# Altium PCB KS_V3S_0.2.PcbDoc
Units mil, origin at the board's own origin, x right, y up, seen from the top; angles counter-clockwise.
Board outline 1913 x 1376 mil, 2 copper layers (Top Layer, Bottom Layer), stack 61.756 mil thick; 129 components, 129 nets, 607 pads, 25 vias.
Unrouted connection lines stored in the file: 284.
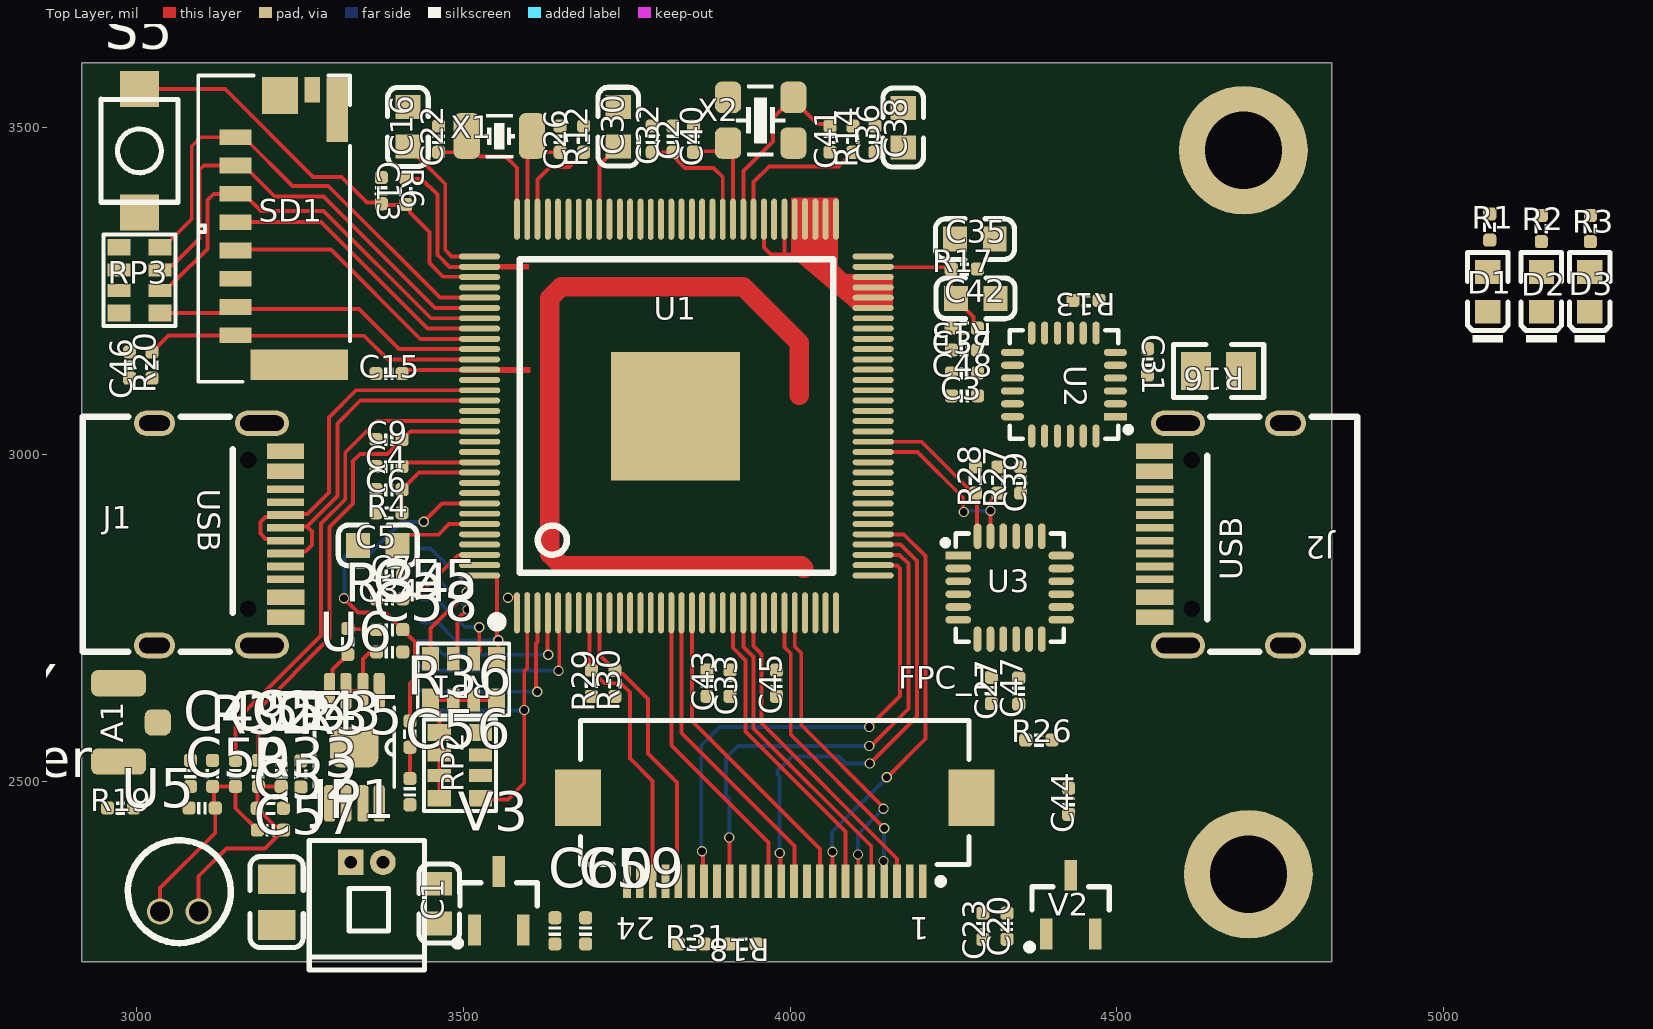
[diagram p0: Top Layer view]
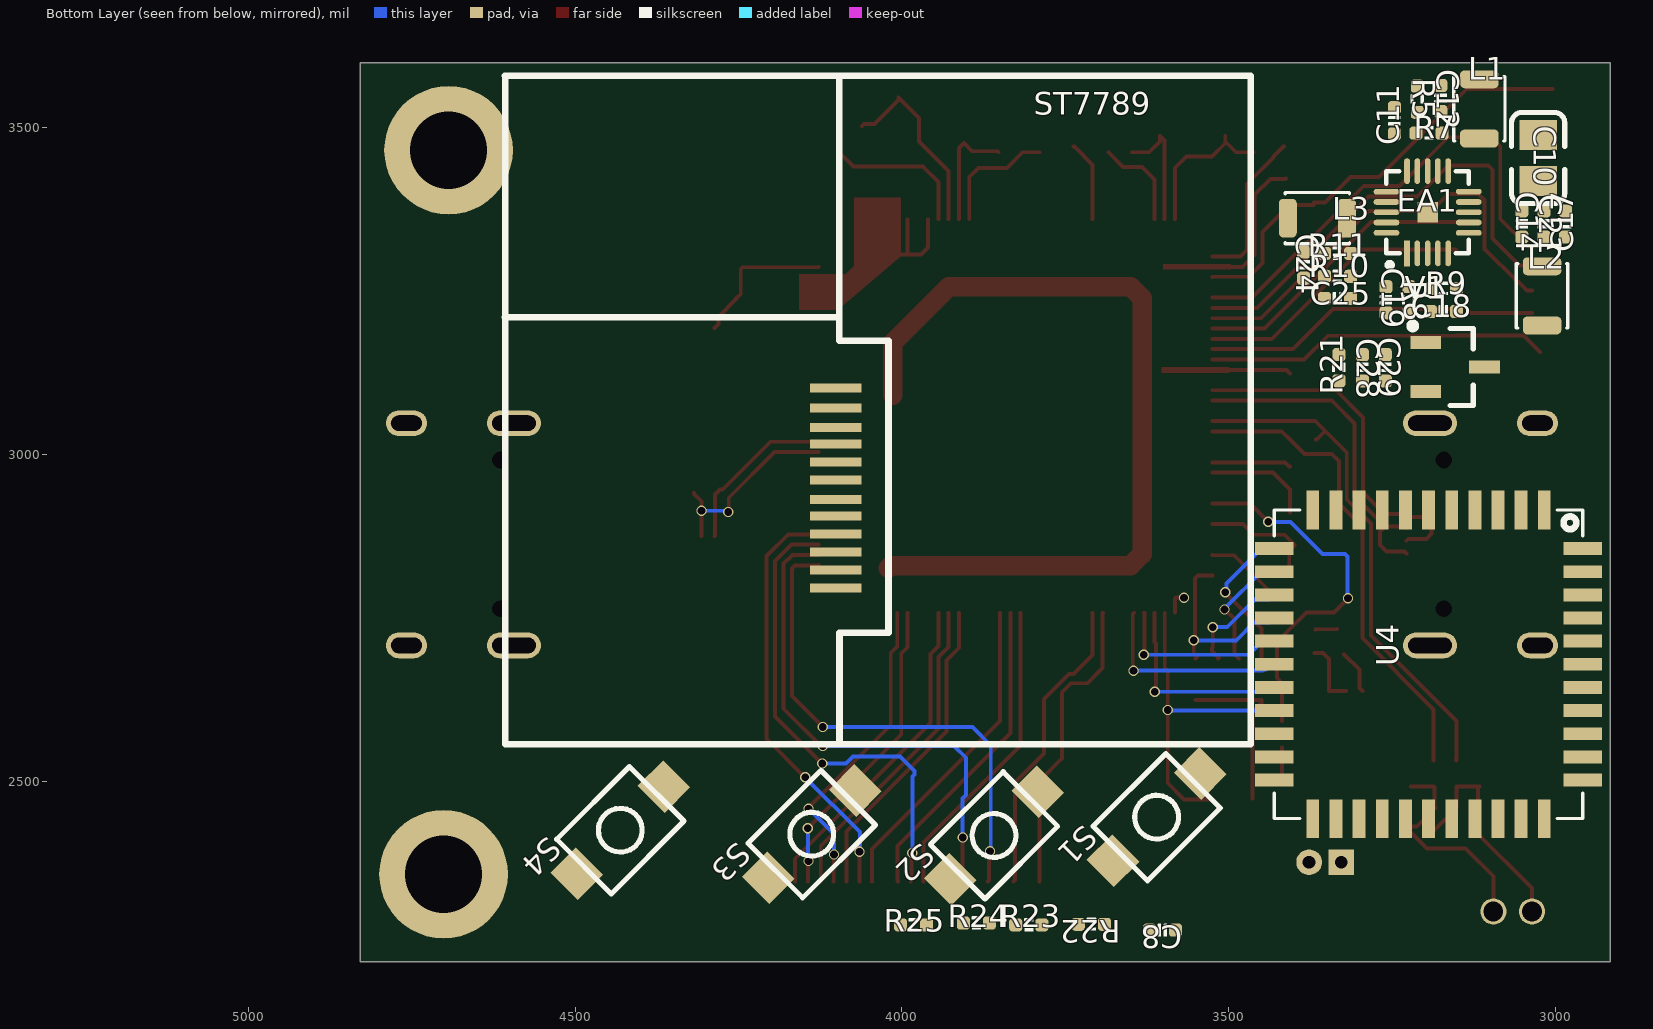
[diagram p1: Bottom Layer view, seen from below]

## Layer stack, top to bottom
Top Solder: solder mask 1, SM-001, Dk 4
Top Layer: signal copper 1.378
Dielectric 1: core 59, Core-043, Dk 4.3
Bottom Layer: signal copper 1.378
Bottom Solder: solder mask 1, SM-001, Dk 4

## Board outline
2916,2224 4829,2224 4829,3600 2916,3600

## Design rules (kind name [scope] priority, off if disabled: settings)
Clearance [All] p1: gap=6 ignorepadtopadclearanceinfootprint=FALSE
PolygonConnect [All] p1: connectstyle=Direct reliefconductorwidth=10 reliefentries=4 polygonreliefangle="90 Angle" airgapwidth=10
RoutingVias [All] p1: holewidth=11.81 width=15.75 viastyle="Through Hole" minholewidth=11.81 minwidth=15.75 maxholewidth=11.81 maxwidth=15.75
SolderMaskExpansion [All] p1: expansion=4 istentingtop=FALSE
Width [All] p1: maxlimit=30 minlimit=6 preferedwidth=30
30 further rules are at their usual default settings.

## Components (designator, comment, footprint, x,y, rotation, side; value= is the part's Value field where it differs from the comment)
A1 "IPX_SMA" IPX_SMA 2972,2590 r0 top
C1 "104" 0603_C#1 3463,2313 r90 top
C2 "104" CAP_0402 3820.8,3482.87 r90 top
C3 "105" CAP_0402 4267,3090 r0 top
C4 "105" CAP_0402 3386.06,2981.67 r180 top
C5 "106" 0603_C#1 3369,2861 r0 top
C6 "106" CAP_0402 3386.06,2946.33 r180 top
C7 "104" CAP_0402 3387,2815 r0 top
C8 "106" CAP_0402 3601,2272 r0 bottom
C9 "104" CAP_0402 3386,3023 r180 top
C10 "106" 0805_C 3026,3454 r90 bottom
C11 "106" CAP_0402 3246,3511 r90 bottom
C12 "18PF" CAP_0402 3175,3545 r270 bottom
C13 "104" CAP_0402 3374.24,3404.04 r90 top
C14 "106" CAP_0402 3051,3353 r270 bottom
C15 "104" CAP_0402 3386.06,3124 r0 top
C16 "106" 0603_C#1 3415,3502 r90 top
C17 "106" CAP_0402 2984,3353 r270 bottom
C18 "106" CAP_0402 3171,3219 r0 bottom
C19 "18PF" CAP_0402 3259,3237 r90 bottom
C20 "104" CAP_0402 4332,2278 r270 top
C21 "106" CAP_0402 3017,3353 r270 bottom
C22 "10PF" CAP_0402 3462,3482.87 r90 top
C23 "106" CAP_0402 4295,2278 r270 top
C24 "106" CAP_0402 3385,3290 r270 bottom
C25 "18PF" CAP_0402 3333,3239 r180 bottom
C26 "10PF" CAP_0402 3648,3482.87 r90 top
C27 "104" CAP_0402 4308,2639 r270 top
C28 "104" CAP_0402 3295,3133 r90 bottom
C29 "106" CAP_0402 3260,3133 r90 bottom
C30 "106" 0603_C#2 3737,3502 r90 top
C31 "104" CAP_0402 4547,3142 r270 top
C32 "104" CAP_0402 3789,3482.87 r90 top
C33 "104" CAP_0402 3908,2650 r90 top
C34 "105" CAP_0402 3387,2779.33 r0 top
C35 "106" 0603_C#2 4283,3330 r180 top
C36 "104" CAP_0402 4130,3482.87 r270 top
C37 "105" CAP_0402 4267,3160 r180 top
C38 "106" 0603_C#2 4173.04,3500.58 r270 top
C39 "104" CAP_0402 4353,2961 r90 top
C40 "10PF" CAP_0402 3852,3482.87 r90 top
C41 "10PF" CAP_0402 4061,3483 r270 top
C42 "106" 0603_C#2 4284,3239 r0 top
C43 "104" CAP_0402 3873,2650 r90 top
C44 "104" CAP_0402 4426.43,2469.29 r270 top
C45 "104" CAP_0402 3979,2650 r90 top
C46 "104" CAP_0402 2989,3137 r270 top
C47 "104" CAP_0402 4350,2638 r90 top
C48 "104" CAP_0402 4267,3125 r180 top
C49 "1u" CAP_0402 3082,2512 r270 top
C50 "33p" CAP_0402 3100,2459 r0 top
C51 "104" CAP_0402 3151,2512 r90 top
C52 "100p" CAP_0402 3204.43,2425.22 r0 top
C53 "33p" CAP_0402 3221,2512 r270 top
C54 "104" CAP_0402 3186,2512 r90 top
C55 "330nF" CAP_0402 3387,2732 r0 top value=0.1u
C56 "0.1uF" CAP_0402 3418,2484 r90 top value=0.1u
C57 "10uF" 0805_C 3214,2315 r90 top value=0.1u
C58 "1uF" CAP_0402 3387,2698 r180 top value=0.1u
C59 "104" CAP_0402 3687,2271 r90 top
C60 "106" CAP_0402 3640,2271 r90 top
D1 "白灯 0603" 0603_LED_S1 5068,3249 r90 top
D2 "白灯 0603" 0603_LED_S1 5150,3249 r90 top
D3 "白灯 0603" 0603_LED_S1 5224,3249 r90 top
EA1 "电源管理IC" "QFN20 3x3_M" 3195.24,3371 r180 bottom
FPC_1 "FPC_24" FPC_24 3977,2479 r180 top
J1 "USB type C" "USB Type-C-16Pin_A" 3027,2878 r270 top
J2 "USB type C" "USB Type-C-16Pin_A" 4758.47,2878 r90 top
JP1 "HDR-1X2" "MX 1.25-WI-2P" 3352,2376 r0 top
L1 "2.2UH" 2520-L 3116,3529.28 r90 bottom
L2 "2.2UH" 2520-L 3020,3243 r270 bottom
L3 "2.2UH" 2520-L 3364,3362 r0 bottom
R1 "Res2" RES_0402 5071,3348.27 r270 top value=2K
R2 "Res2" RES_0402 5150,3346 r270 top value=2K
R3 "Res2" RES_0402 5225,3346 r270 top value=2K
R4 "Res2" RES_0402 3386.06,2911 r180 top value=200K
R5 "Res2" RES_0402 3211,3544 r90 bottom value=110K
R6 "Res2" RES_0402 3411.72,3403.1 r90 top value=10K
R7 "Res2" RES_0402 3193,3492 r180 bottom value=110K
R8 "Res2" RES_0402 3224,3237 r270 bottom value=680K
R9 "Res2" RES_0402 3171,3254 r0 bottom value=150K
R10 "Res2" RES_0402 3333,3273 r0 bottom value=300K
R11 "Res2" RES_0402 3333,3308 r180 bottom value=150K
R12 "Res2" RES_0402 3684,3482.87 r270 top value=1K
R13 "10K" RES_0402 4453,3236 r0 top
R14 "Res2" RES_0402 4096,3482.87 r270 top value=240
R15 "Res2" RES_0402 4266.63,3194 r0 top value=2K
R16 "1A保险丝" LC-0805_R 4656,3128 r0 top value=10K
R17 "Res2" RES_0402 4266.63,3284 r180 top value=2K
R18 "Res2" RES_0402 3928,2251 r0 top value=10k
R19 "Res2" RES_0402 2975,2459 r180 top value=10k
R20 "Res2" RES_0402 3023,3137 r90 top value=10k
R21 "100K-1%" RES_0402 3331,3133 r90 bottom
R22 "6K8-1%" RES_0402 3710,2281 r0 bottom
R23 "8k2-1%" RES_0402 3805.73,2280 r180 bottom
R24 "10K-1%" RES_0402 3886,2283 r180 bottom
R25 "11K-1%" RES_0402 3982,2280 r180 bottom
R26 "Res2" RES_0402 4380.73,2563 r0 top value=10
R27 "Res2" RES_0402 4318,2961 r90 top value=10k
R28 "Res2" RES_0402 4284,2961 r90 top value=10k
R29 "Res2" RES_0402 3696,2650 r270 top value=10k
R30 "Res2" RES_0402 3731.64,2649.77 r270 top value=10k
R31 "Res2" RES_0402 3849,2251 r0 top value=10k
R32 "Res2" RES_0402 3116,2512 r90 top value=2K
R33 "Res2" RES_0402 3204.2,2458.6 r0 top value=2K
R34 "20K" RES_0402 3323,2714 r270 top value=22R
R35 "75K" RES_0402 3251,2511 r270 top value=22R
R36 "22R" RES_0402 3418,2572 r90 top
RP1 "10K" RCA-8P4R-0603 3500,2656 r180 top
RP2 "10K" RCA-8P4R-0603 3494.5,2524.25 r90 top
RP3 "10K" RCA-8P4R-0603 3004,3267 r270 top
S1 "VOL+" KEY_1 3610,2445 r315 bottom
S2 "VOL-" KEY_1 3859,2417 r315 bottom
S3 "SELECT" KEY_1 4138,2419 r315 bottom
S4 "START" KEY_1 4431,2425 r315 bottom
S5 "RESET" KEY_1 3004,3465 r270 top
SD1 "micro SD" "TF卡座 短体 molex47309-2851_MOL" 3210,3346 r90 top
ST7789 "ST7789V_1.3" ST7789V_12Pin 4095.49,3088.56 r180 bottom
U1 "V3S_1" "LQFP129 14x14_N" 3826,3059 r0 top
U2 "CP2102N" "QFN24 4x4_N" 4419.16,3107.26 r90 top
U3 "MPU6050" "QFN24 4x4_M" 4336.16,2796.26 r270 top
U4 "RTL8723BS_Module" R8723BS 3190.78,2675 r270 bottom
U5 "MIC" MIC-0416 3065,2331 r270 top
U6 "LM4871" MSOP-8 3333,2552 r270 top
V1 "XC6206 3V0" SOT23-3N 3153,3134 r270 bottom
V2 "XC6206 2V8" SOT23-3N 4429.6,2311 r0 top
V3 "XC6206 1V5" SOT23-3N 3554,2317 r0 top
X1 "32.768kHz" XT_3215_2 3555,3487.87 r180 top
X2 "26MHz" XT_3225_4 3955,3511.87 r0 top

## Footprints (in the part's own frame and the unit in brackets; to place one, negate y for a bottom-side part, rotate by r counter-clockwise, add the part's x,y. Pads: shape width x height; smd on the part's side, far side on the other; paste and mask are expansions set on the pad)
0603_C#1 [mm]
  rect 0.93x0.98 smd: 1(-0.778,0) 2(0.762,0)
  silkscreen extent -1.54,-0.79 1.53,0.79, body extent -0.81,-0.4 0.79,0.4, height 0.3
0603_C#2 [mm]
  rect 0.93x0.98 smd: 1(-0.77,0) 2(0.77,0)
  silkscreen extent -1.53,-0.79 1.54,0.79, body extent -0.8,-0.4 0.8,0.4, height 0.3
0603_LED_S1 [mm]
  rect 0.93x0.98 smd: A(0.77,0) K(-0.77,0)
  silkscreen extent -1.98,-0.79 1.54,0.79, body extent -0.8,-0.4 0.8,0.4, height 0.6
0805_C [mm]
  rect 1.16x1.47 smd: 1(-0.89,0) 2(0.89,0)
  silkscreen extent -1.77,-1.04 1.77,1.04, body extent -1,-0.63 1,0.63, height 0.77
2520-L [mm]
  rrect50% 0.7x1.5 smd: 1(-1.15,0) 2(1.15,0)
  silkscreen extent -1.25,-1 1.25,1, body extent -1,-0.6 1,0.6, height 0.92
CAP_0402 [mil]
  rrect50% 20x20 smd: 1(-20,0) 2(20,0)
  silkscreen extent -7,-9 7,9, body extent -20,-10 20,10, height 20
FPC_24 [mm]
  rect 0.3x1.3 smd: 1(-5.739,3.359) 2(-5.239,3.359) 3(-4.739,3.359) 4(-4.239,3.359) 5(-3.739,3.359) 6(-3.239,3.359) 7(-2.739,3.359) 8(-2.239,3.359) 9(-1.739,3.359) 10(-1.239,3.359) 11(-0.739,3.359) 12(-0.239,3.359) 13(0.261,3.359) 14(0.761,3.359) 15(1.261,3.359) 16(1.761,3.359) 17(2.261,3.359) 18(2.761,3.359) 19(3.261,3.359) 20(3.761,3.359) 21(4.261,3.359) 22(4.761,3.359) 23(5.261,3.359) 24(5.761,3.359)
  rect 1.8x2.2 smd: 25(-7.639,0.109) 26(7.661,0.109)
  silkscreen extent -7.54,-2.89 7.56,3.48, body extent -8.05,-3.05 8.15,2.95, height 2
IPX_SMA [mil]
  rrect50% 40x40 smd: 1(60,0)
  rrect50% 84x40 smd: 2(0,-60) 2(0,60)
KEY_1 [mm]
  rect 1.4x1.5 smd: 1(-2.4,0) 2(2.4,0)
  silkscreen extent -2.01,-1.5 2,1.5, body extent -2.11,-1.28 1.89,1.22, height 1.6
LC-0805_R [mm]
  rect 1.16x1.47 smd: 1(-0.875,0) 2(0.875,0)
  silkscreen extent -1.76,-1.04 1.76,1.03, body extent -1,-0.62 1,0.63, height 0.49
"LQFP129 14x14_N" [mm] "129脚，体宽：14x14mm, 脚距：0.4mm"
  oval 0.23x1.6 smd: 1(-6.2,-7.648) 2(-5.8,-7.648) 3(-5.4,-7.648) 4(-5,-7.648) 5(-4.6,-7.648) 6(-4.2,-7.648) 7(-3.8,-7.648) 8(-3.4,-7.648) 9(-3,-7.648) 10(-2.6,-7.648) 11(-2.2,-7.648) 12(-1.8,-7.648) 13(-1.4,-7.648) 14(-1,-7.648) 15(-0.6,-7.648) 16(-0.2,-7.648) 17(0.2,-7.648) 18(0.6,-7.648) 19(1,-7.648) 20(1.4,-7.648) 21(1.8,-7.648) 22(2.2,-7.648) 23(2.6,-7.648) 24(3,-7.648) 25(3.4,-7.648) 26(3.8,-7.648) 27(4.2,-7.648) 28(4.6,-7.648) 29(5,-7.648) 30(5.4,-7.648) 31(5.8,-7.648) 32(6.2,-7.648) 65(6.2,7.653) 66(5.8,7.653) 67(5.4,7.653) 68(5,7.653) 69(4.6,7.653) 70(4.2,7.653) 71(3.8,7.653) 72(3.4,7.653) 73(3,7.653) 74(2.6,7.653) 75(2.2,7.653) 76(1.8,7.653) 77(1.4,7.653) 78(1,7.653) 79(0.6,7.653) 80(0.2,7.653) 81(-0.2,7.653) 82(-0.6,7.653) 83(-1,7.653) 84(-1.4,7.653) 85(-1.8,7.653) 86(-2.2,7.653) 87(-2.6,7.653) 88(-3,7.653) 89(-3.4,7.653) 90(-3.8,7.653) 91(-4.2,7.653) 92(-4.6,7.653) 93(-5,7.653) 94(-5.4,7.653) 95(-5.8,7.653) 96(-6.2,7.653)
  oval 1.6x0.23 smd: 33(7.651,-6.198) 34(7.651,-5.798) 35(7.651,-5.398) 36(7.651,-4.998) 37(7.651,-4.598) 38(7.651,-4.198) 39(7.651,-3.798) 40(7.651,-3.398) 41(7.651,-2.998) 42(7.651,-2.598) 43(7.651,-2.198) 44(7.651,-1.798) 45(7.651,-1.398) 46(7.651,-0.998) 47(7.651,-0.598) 48(7.651,-0.198) 49(7.651,0.202) 50(7.651,0.602) 51(7.651,1.002) 52(7.651,1.402) 53(7.651,1.802) 54(7.651,2.202) 55(7.651,2.602) 56(7.651,3.002) 57(7.651,3.402) 58(7.651,3.802) 59(7.651,4.202) 60(7.651,4.602) 61(7.651,5.002) 62(7.651,5.402) 63(7.651,5.802) 64(7.651,6.202) 97(-7.651,6.202) 98(-7.651,5.802) 99(-7.651,5.402) 100(-7.651,5.002) 101(-7.651,4.602) 102(-7.651,4.202) 103(-7.651,3.802) 104(-7.651,3.402) 105(-7.651,3.002) 106(-7.651,2.602) 107(-7.651,2.202) 108(-7.651,1.802) 109(-7.651,1.402) 110(-7.651,1.002) 111(-7.651,0.602) 112(-7.651,0.202) 113(-7.651,-0.198) 114(-7.651,-0.598) 115(-7.651,-0.998) 116(-7.651,-1.398) 117(-7.651,-1.798) 118(-7.651,-2.198) 119(-7.651,-2.598) 120(-7.651,-2.998) 121(-7.651,-3.398) 122(-7.651,-3.798) 123(-7.651,-4.198) 124(-7.651,-4.598) 125(-7.651,-4.998) 126(-7.651,-5.398) 127(-7.651,-5.798) 128(-7.651,-6.198)
  rect 5x5 smd: 129(-0.038,-0.01)
  silkscreen extent -7.11,-8.13 6.1,6.1, body extent -8,-8 8,8.01, height 1.45
MIC-0416 [mil]
  round 40 hole 30: 1(30.43,29.53) 2(30.43,-29.53)
  silkscreen extent -79,-79 79,79, body extent -99,-99 99,100, height 102
MSOP-8 [mil]
  rrect50% 56x17 smd: 1(-86,38) 2(-86,13) 3(-86,-13) 4(-86,-38) 5(86,-38) 6(86,-13) 7(86,13) 8(86,38)
  rrect50% 62x74 smd: 9(0,0)
  silkscreen extent -61,-61 61,61, body extent -97,-61 97,61, height 45
"MX 1.25-WI-2P" [mm] "长：4.25mm，宽：1.8mm，高：3.3mm"
  rect 1x1 hole 0.5: 1(-0.625,0)
  round 1 hole 0.5: 2(0.625,0)
  silkscreen extent -2.24,-4.19 2.24,0.85, body extent -2.12,-4.05 2.12,0.85, height 3.35
"QFN20 3x3_M" [mm] "20脚，长x宽x高：3x3x0.8mm，脚距：0.4mm"
  rect 0.22x1 smd: 1(-0.8,-1.6)
  oval 0.22x1 smd: 2(-0.4,-1.6) 3(0,-1.6) 4(0.4,-1.6) 5(0.8,-1.6) 11(0.8,1.6) 12(0.4,1.6) 13(0,1.6) 14(-0.4,1.6) 15(-0.8,1.6)
  oval 1x0.22 smd: 6(1.6,-0.8) 7(1.6,-0.4) 8(1.6,0) 9(1.6,0.4) 10(1.6,0.8) 16(-1.6,0.8) 17(-1.6,0.4) 18(-1.6,0) 19(-1.6,-0.4) 20(-1.6,-0.8)
  rect 0.8x0.8 smd: 21(0,0)
  silkscreen extent -1.6,-2.12 1.6,1.6, body extent -1.51,-1.51 1.51,1.51, height 0.75
"QFN24 4x4_M" [mm] "24脚，长x宽x高：4x4x1mm，脚距：0.5mm"
  rect 0.3x1 smd: 1(-1.25,-2)
  oval 0.3x1 smd: 2(-0.75,-2) 3(-0.25,-2) 4(0.25,-2) 5(0.75,-2) 6(1.25,-2) 13(1.25,2) 14(0.75,2) 15(0.25,2) 16(-0.25,2) 17(-0.75,2) 18(-1.25,2)
  oval 1x0.3 smd: 7(2,-1.25) 8(2,-0.75) 9(2,-0.25) 10(2,0.25) 11(2,0.75) 12(2,1.25) 19(-2,1.25) 20(-2,0.75) 21(-2,0.25) 22(-2,-0.25) 23(-2,-0.75) 24(-2,-1.25)
  silkscreen extent -2.11,-2.6 2.11,2.11, body extent -2.01,-2.01 2.01,2.01, height 0.95
"QFN24 4x4_N" [mm] "24脚，长x宽x高：4x4x1mm，脚距：0.5mm"
  rect 0.28x0.9 smd: 1(-1.25,-2)
  oval 0.28x0.9 smd: 2(-0.75,-2) 3(-0.25,-2) 4(0.25,-2) 5(0.75,-2) 6(1.25,-2) 13(1.25,2) 14(0.75,2) 15(0.25,2) 16(-0.25,2) 17(-0.75,2) 18(-1.25,2)
  oval 0.9x0.28 smd: 7(2,-1.25) 8(2,-0.75) 9(2,-0.25) 10(2,0.25) 11(2,0.75) 12(2,1.25) 19(-2,1.25) 20(-2,0.75) 21(-2,0.25) 22(-2,-0.25) 23(-2,-0.75) 24(-2,-1.25)
  silkscreen extent -2.11,-2.6 2.11,2.11, body extent -2.01,-2.01 2.01,2.01, height 0.95
R8723BS [mm]
  rect 1.5x0.5 smd: 1(-6.102,4.424) 2(-6.102,3.524) 3(-6.102,2.624) 4(-6.102,1.724) 5(-6.102,0.824) 6(-6.102,-0.076) 7(-6.102,-0.976) 8(-6.102,-1.876) 9(-6.102,-2.776) 10(-6.102,-3.676) 11(-6.102,-4.576) 23(5.898,-4.576) 24(5.898,-3.676) 25(5.898,-2.776) 26(5.898,-1.876) 27(5.898,-0.976) 28(5.898,-0.076) 29(5.898,0.824) 30(5.898,1.724) 31(5.898,2.624) 32(5.898,3.524) 33(5.898,4.424)
  rect 0.5x1.5 smd: 12(-4.602,-6.076) 13(-3.702,-6.076) 14(-2.802,-6.076) 15(-1.902,-6.076) 16(-1.002,-6.076) 17(-0.102,-6.076) 18(0.798,-6.076) 19(1.698,-6.076) 20(2.598,-6.076) 21(3.498,-6.076) 22(4.398,-6.076) 34(4.398,5.924) 35(3.498,5.924) 36(2.598,5.924) 37(1.698,5.924) 38(0.798,5.924) 39(-0.102,5.924) 40(-1.002,5.924) 41(-1.902,5.924) 42(-2.802,5.924) 43(-3.702,5.924) 44(-4.602,5.924)
  silkscreen extent -6.1,-6.08 5.9,5.92, body extent -6.1,-6.08 5.9,5.92, height 1.6
RCA-8P4R-0603 [mm] "3.2mm*1.6mm*0.6mm(长*宽*厚)"
  rect 0.65x0.9 smd: 1(-1.28,-0.8) 4(1.28,-0.8) 5(1.28,0.8) 8(-1.28,0.8)
  rect 0.5x0.9 smd: 2(-0.4,-0.8) 3(0.4,-0.8) 6(0.4,0.8) 7(-0.4,0.8)
  silkscreen extent -1.78,-1.4 1.78,1.4, body extent -1.6,-0.8 1.6,0.8, height 0.6
RES_0402 [mil]
  rrect50% 20x20 smd: 1(-20,0) 2(20,0)
  silkscreen extent -7,-10 7,10, body extent -20,-10 20,10, height 14
SOT23-3N [mm] "3x1.3x1mm(长宽高)"
  rect 0.5x1.2 smd: 1(-0.95,-1.143) 2(0.95,-1.143) 3(0,1.143)
  silkscreen extent -1.72,-1.78 1.5,0.7, body extent -1.5,-1.2 1.5,1.2, height 1.05
ST7789V_12Pin [mm]
  rect 2x0.35 smd: 1(-0.14,-7.431) 2(-0.14,-6.731) 3(-0.14,-6.031) 4(-0.14,-5.331) 5(-0.14,-4.631) 6(-0.14,-4.001) 7(-0.14,-3.231) 8(-0.14,-2.531) 9(-0.14,-1.831) 10(-0.14,-1.201) 11(-0.14,-0.431) 12(-0.14,0.339)
  silkscreen extent -13.01,-13.52 16,12.48
"TF卡座 短体 molex47309-2851_MOL" [mil]
  rect 24x49 smd paste+0 mask+0: 1(139.76,58.83) 2(96.46,58.83) 3(53.15,58.83) 4(9.84,58.83) 5(-33.46,58.83) 6(-76.77,58.83) 7(-120.08,58.83) 8(-163.39,58.83)
  rect 47x149 smd paste+0 mask+0: 9(-208.66,-38.8)
  rect 98.43x33 smd: 10(182.09,-96.68)
  rect 57x55 smd paste+0 mask+0: 10(203.74,-9.08)
  rect 39x24 smd paste+0 mask+0: 10(212.6,-58.29)
  silkscreen extent -234,-116 234,116, body extent -224,-111 224,106, height 102
"USB Type-C-16Pin_A" [mm]
  round 0 hole 0.65: 0(-2.89,3.65) 0(2.89,3.65)
  oval 1x2.1 hole 0.6 slot 1.7 at 90 deg: 1(-4.32,4.18) 1(4.32,4.18)
  oval 1x1.6 hole 0.6 slot 1.2 at 90 deg: 1(-4.32,0) 1(4.32,0)
  rect 0.3x1.45 smd: A1(-3.375,5.092) A4(-2.6,5.092) A5(-1.25,5.092) A6(-0.25,5.092) A7(0.25,5.092) A8(-1.75,5.092) A9(2.6,5.1) A12(3.375,5.1) B1(3.075,5.1) B4(2.3,5.1) B5(1.75,5.092) B6(0.75,5.092) B7(-0.75,5.092) B8(1.25,5.092) B9(-2.3,5.092) B12(-3.075,5.092)
  silkscreen extent -4.57,-2.79 4.57,3.05, body extent -4.47,-2.6 4.47,5.3, height 3.25
XT_3215_2 [mil]
  rrect50% 40x70 smd: 1(-50,0) 2(50,0)
  silkscreen extent -24,-34 24,34, body extent -63,-30 63,30, height 35
XT_3225_4 [mil]
  rrect50% 40x48 smd: 1(-50,-35) 2(50,-35) 3(50,35) 4(-50,35)
  silkscreen extent -38,-54 38,54, body extent -63,-49 63,49, height 41

## Part data
A1: "IPX"
C1 C2 C3 C4 C5 C6 C7 C8 C9 C10 C11 C12 C13 C14 C15 C16 C17 C18 C19 C20 C21 C22 C23 C24 C25 C26 C27 C28 C29 C30 C31 C32 C33 C34 C35 C36 C37 C38 C39 C40 C41 C42 C43 C44 C45 C46 C47 C48 C59 C60: library part CAP
C49 C50 C51 C52 C53 C54: library part CAP, "SMD-CAP"
C55: library part 电容-0603, "Capacitor"
C56 C57 C58: library part 电容-0402, "Capacitor"
D1 D2 D3: library part "0603 白灯", "发光二极管", Package=0603, SuppliersPartNumber=C2290, ComponentLink1Description=供应商链接, ComponentLink1URL=http://www.szlcsc.com/product/details_2663.html, Supplier=LC
EA1: library part EA3036
J1 J2: library part USB_C
JP1: library part "Header 2", "2P接插件", BOM名称=2P接插件, 学习资源=www.ooocke.com, 版权归属=源创客
L1 L2 L3: library part L1, "电感"
R1 R2 R3 R4 R5 R6 R7 R8 R9 R10 R11 R12 R14 R15 R17 R18 R19 R20 R26 R27 R28 R29 R30 R31 R32 R33: "Resistor", LatestRevisionDate=17-Jul-2002, LatestRevisionNote="Re-released for DXP Platform.", PackageReference=AXIAL-0.4, Published=8-Jun-2000, Publisher="Altium Limited"
R13: library part RES, "普通电阻"
R16: library part Res2, "Resistor", LatestRevisionDate=17-Jul-2002, LatestRevisionNote="Re-released for DXP Platform.", PackageReference=AXIAL-0.4, Published=8-Jun-2000, Publisher="Altium Limited"
R21 R22 R23 R24 R25: library part R
R34 R35 R36: library part 电阻-0402, "Resistor"
RP1 RP2 RP3: library part 224, BOM名称=贴片网络排阻, 学习资源=www.ooocke.com, 版权归属=源创客
S1 S2 S3 S4 S5: library part SW-PB, "Switch", LatestRevisionDate=17-Jul-2002, LatestRevisionNote="Re-released for DXP Platform.", PackageReference=SPST-2, Published=24-Mar-1999, Publisher="Altium Limited"
U2: library part CP2104
V1 V2 V3: library part XC6206P332MR, "低压差线性稳压芯片", BOM名称=低压差线性稳压芯片, 学习资源=www.ooocke.com, 版权归属=源创客
X1: library part XTAL_32.768k, "Crystal Oscillator"
X2: library part XTAL_3225_4P, "Crystal Oscillator", Type=XTAL3225

## Free pads (board coordinates)
  round 196.85 hole 118.11: 2(4694,3466) 2(4701.63,2357.53)

## Via types
v1: diameter 15.75, hole 11.81, Top Layer to Bottom Layer, 25 vias

## Nets (pads, with @x,y where several pads share a name; then routed paths per layer and width w, separated by ;. In a path a pad name is that pad's centre, name@x,y a point inside that pad or via, vN(x,y) a via of type N, cw(c..) or ccw(c..) an arc to the next point about the centre after c; other vN are vias at no path point)
1V2: C3.1 C11.2 C12.1 C15.2 C30.1 C33.2 C34.2 C35.2 C43.2 C45.2 L1.2 R5.2 U1.19 U1.20 U1.21 U1.25 U1.26 U1.38 U1.47 U1.51 U1.56 U1.58 U1.64 U1.80 U1.88 U1.108 U1.126 | length 390.8
  Top Layer w6: C15.2 3411.43,3129.38 3524.2,3129.38 U1.108 ; C34.2 3425.33,2779.33 3491.91,2845.91 3524.2,2845.91 U1.126 ; U1.88 3707.89,3443.56 3736.02,3471.68 C30.1
1V5: C59.1 C60.1 FPC_1.15 V3.2
1V8: C24.2 C25.1 C36.2 C37.2 C38.2 L3.2 R10.2 R15.1 U1.59 U1.60 U1.61 U1.62 U1.65 U1.66 U1.67 U1.68 U1.69 U1.70 U1.72 U1.79 | length 149.4
  Top Layer w6: U1.72 3959.86,3317.14 3971,3306 3988.5,3306 ; U1.70 3991.35,3308.85 3988.5,3306 ; 4006,3306 3988.5,3306
2V8: C20.1 C23.1 FPC_1.1 FPC_1.14 FPC_1.21 R29.2 R30.2 R31.1 V2.2
3V0: C2.1 C28.1 C29.1 C32.1 C49.1 R21.1 R32.2 U1.76 U1.115 V1.2 | length 188.3
  Top Layer w6: C32.1 3815.13,3462.87 3839,3439 3883,3439 3896.87,3425.13 U1.76
3V3: C1.2 C18.2 C19.1 C27.1 C44.2 C46.2 C48.2 L2.2 R1.1 R2.1 R3.1 R6.2 R8.2 R19.1 R20.1 R27.2 R28.2 RP1.5 RP1.6 RP1.7 RP1.8 RP2.5 RP2.6 RP2.7 RP2.8 RP3.1 RP3.2 RP3.3 RP3.4 SD1.4 ST7789.3 ST7789.4 U1.12 U1.29 U1.50 U1.57 U1.85 U1.93 U1.98 U1.104 U1.109 U1.122 U1.127 U3.8 U3.13 U4.9 U4.22 V1.3 V2.3 V3.3 | length 2215.4
  Top Layer w6: SD1.4 3282.16,3355.84 3445.05,3192.95 U1.104 ; R6.2 3412.82,3422 3436,3422 3460.13,3397.87 3460.13,3305.87 3478.56,3287.44 U1.98 ; RP2.8 RP2.7 RP2.6 RP2.5 3463.01,2606.18 3449.61,2619.58 RP1.5 RP1.7 RP1.8
  Top Layer w30: 4014,3091 4014,3171 3927.95,3257.05 3649.85,3257.05 3632.28,3239.48 3632.28,2847.57 3649.85,2830 4017,2830 4021,2826
5V: C10.1 C14.1 C17.1 C21.1 C57.2 EA1.7 EA1.8 EA1.9 EA1.10 EA1.16 EA1.18 EA1.19 J1.A4 J1.A9 J1.B4 J1.B9 R16.1 U2.7 U2.8 U6.6
5V_IN: J2.A4 J2.A9 J2.B4 J2.B9 R16.2
D+: J1.A6 J1.B6 U1.111 | length 520.9
  Top Layer w6: J1.B6 3230.37,2851.38 3257.86,2851.38 3268.25,2861.78 3268.25,2882.24 3260.58,2889.91 ; J1.A6 3229.53,2889.91 3260.58,2889.91 ; U1.111 3341.96,3082.72 3307,3047.76 3307,2936.33 3260.58,2889.91
D-: J1.A7 J1.B7 U1.110 | length 547.6
  Top Layer w6: J1.A7 3224.56,2871.07 3197.07,2871.07 3189,2879.14 3189,2897 3196.63,2904.63 3224.56,2904.63 J1.B7 3228.93,2909 3261.18,2909 3294,2941.83 3294,3057.04 3335.42,3098.46 U1.110
"DCMI RST": FPC_1.19 R31.2
EPHY-LINK-LED: U1.77
EPHY-RTX: R12.2 U1.94 | length 148.9
  Top Layer w6: U1.94 3613.4,3421.4 3632.5,3440.5 3661.63,3440.5 R12.2
EPHY-RXN: U1.89
EPHY-RXP: U1.90
EPHY-SPD-LED: U1.78
EPHY-TXN: U1.91
EPHY-TXP: U1.92
GLED: D2.K U1.48 U2.20
GND: C1.1 C2.2 C3.2 C4.2 C5.1 C6.2 C7.1 C8.2 C10.2 C11.1 C13.2 C14.2 C15.1 C16.2 C17.2 C18.1 C20.2 C21.2 C22.2 C23.2 C24.1 C26.2 C27.2 C28.2 C29.2 C30.2 C31.2 C32.2 C33.1 C34.1 C35.1 C36.1 C37.1 C38.1 C39.2 C40.2 C41.2 C42.2 C43.1 C44.1 C45.1 C46.1 C47.1 C48.1 C49.2 C50.1 C53.1 C56.1 C57.1 C58.1 C59.2 C60.2 D3.K EA1.1 EA1.4 EA1.5 EA1.12 EA1.13 EA1.15 EA1.17 EA1.21 FPC_1.2 FPC_1.10 FPC_1.23 J1.A1 J1.A12 J1.B1 J1.B12 J2.A1 J2.A12 J2.B1 J2.B12 R4.2 R7.1 R9.1 R11.1 R12.1 R14.1 R17.1 R18.2 R26.2 R33.2 S1.1 S2.1 S3.1 S4.1 S5.2 SD1.6 SD1.10 ST7789.1 ST7789.5 ST7789.6 ST7789.12 U1.116 U1.129 U2.2 U3.1 U3.9 U3.11 U3.18 U4.1 U4.3 U4.20 U4.31 U4.33 U4.36 U4.41 U4.44 U6.1 U6.7 V1.1 V2.1 V3.1 X2.2 X2.4
HBIAS: U1.119
HPCOM: U1.125
HPCOMFB: U1.124
HPOUTL: C55.2 R36.2 U1.121 | length 565.9
  Top Layer w6: v1(3317,2780) 3338.78,2758.22 3380.78,2758.22 C55.2 3426,2713 3426,2657.82 3418,2649.82 R36.2 ; v1(3439,2897) 3467.24,2925.24 U1.121
  Bottom Layer w6: v1(3317,2780) 3318,2781 3318,2844 3322,2848 3355.82,2848 3404.82,2897 v1(3439,2897)
HPOUTR: U1.120
HPVCCBP: C5.2 C7.2 U1.123 | length 189.2
  Top Layer w6: C7.2 3407,2853 C5.2 3399,2861.98 3414.31,2877.29 3461.59,2877.29 3478.04,2893.74 ; 3478.09,2893.74 U1.123
KEYADC0: C8.1 R21.2 R22.2 U1.112
MCSI-CKN: U1.87
MCSI-CKP: U1.86
MCSI-D0N: U1.82
MCSI-D0P: U1.81
MCSI-D1N: U1.84
MCSI-D1P: U1.83
MICIN1N: C9.1 C54.2 U1.114 | length 730.7
  Top Layer w6: C54.2 3186,2610 3295,2719 3295,2889 3331,2925 3331,2990 3342,3001 3384,3001 C9.1 3418.47,3035.47 U1.114
MICIN1P: C9.2 C51.2 U1.113 | length 787.7
  Top Layer w6: C51.2@3152,2533 C51.2 3151,2592 3282,2723 3282,2894.36 3319,2931.36 3319,3003 3351,3035 ; C9.2 3364.92,3023 3352.92,3035 3351,3035 ; U1.113 3367.22,3051.22 3351,3035
NetA1_1: A1.1 U4.2
NetC12_2: C12.2 EA1.14 R5.1 R7.2
NetC19_2: C19.2 EA1.3 R8.1 R9.2
NetC25_2: C25.2 EA1.2 R10.1 R11.2
NetC31_1: C31.1 R13.2 U2.5 U2.6
NetC39_1: C39.1 U3.20
NetC47_2: C47.2 U3.10
NetC50_2: C50.2 C51.1 C52.1 R32.1 U5.2 | length 343.7
  Top Layer w6: U5.2 3035.47,2336.47 3120,2421 C50.2 3118,2461 3118,2490 R32.1 C51.1 3151,2458.65 C52.1
NetC52_2: C52.2 C53.2 C54.1 R33.1 U5.1 | length 336.4
  Top Layer w6: U5.1 3094.53,2354.53 3137,2397 3196.21,2397 C52.2 3218.66,2430.98 3211.82,2430.98 R33.1 ; R33.1@3183,2459 3184.5,2460.5 3184.5,2490.5 C54.1 C53.2
NetC55_1: C55.1 R34.1 | length 33.6
  Top Layer w6: 3334,2733.33 3334.67,2732.67 3366.33,2732.67 C55.1
NetC56_2: C56.2 R36.1 | length 48
  Top Layer w6: C56.2 R36.1
NetC58_2: C58.2 U6.2 U6.3 | length 101.4
  Top Layer w6: U6.3 U6.2 3346,2687 3355.44,2696.44 C58.2@3368.51,2696.44
NetD1_A: D1.A R1.2
NetD2_A: D2.A R2.2
NetD3_A: D3.A R3.2
NetEA1_6: EA1.6 L2.1
NetEA1_11: EA1.11 L1.1
NetEA1_20: EA1.20 L3.1
NetJP1_1: JP1.1 R35.2 U6.5
NetJP1_2: JP1.2 U6.8
NetR13_1: R13.1 U2.9
NetR19_2: R19.2 U4.34
NetR22_1: R22.1 R23.2 S1.2
NetR23_1: R23.1 R24.2 S2.2
NetR24_1: R24.1 R25.2 S3.2
NetR25_1: R25.1 S4.2
NetR26_1: R26.1 ST7789.2
NetR34_2: R34.2 R35.1 U6.4 | length 67.6
  Top Layer w6: U6.4 3299.73,2642.73 3299.73,2670.73 R34.2
NetRP1_3: RP1.3 U4.13 | length 185.3
  Top Layer w6: RP1.3 3491.09,2694.34 3491.09,2748.09 v1(3506,2763)
  Bottom Layer w6: U4.13 3449.69,2820.73 3506,2764.42 v1(3506,2763)
NetRP1_4: RP1.4 U4.12 | length 234.3
  Top Layer w6: RP1.4 3449.61,2733.61 v1(3505.14,2789.14)
  Bottom Layer w6: U4.12 3449.69,2856.17 3503,2802.85 3503,2796 3503.28,2795.72 3503.28,2791.01 v1(3505.14,2789.14)
PB0/UART2_TX/PB_EINT0: U1.39 U4.43
PB1/UART2_RX/PB_EINT1: U1.40 U4.42
PB2/UART2_RTS/PB_EINT2: U1.41
PB3/UART2_CTS/PB_EINT3: U1.42
PB4/PWM0/PB_EINT4: ST7789.7 U1.43
PB5/PWM1/PB_EINT5: ST7789.11 U1.44
PB6/TWI0_SCK/PB_EINT6: R27.1 U1.45 U3.23 | length 301.4
  Top Layer w6: U1.45 4195.02,3003.98 4265,2934 4265,2913 v1(4266,2912) ; U3.23 v1(4306.63,2914) 4306.63,2928.55 4318,2939.92 R27.1
  Bottom Layer w6: v1(4266,2912) 4268,2914 v1(4306.63,2914)
PB7/TWI0_SDA/PB_EINT7: R28.1 U1.46 U3.24 | length 256.6
  Top Layer w6: U1.46 4201.28,3019.72 4274.23,2946.77 4278.23,2946.77 4285.83,2939.17 4285.83,2876.11 U3.24
PB9/TWI1_SDA/UART0_RX/PB_EINT9: D1.K U1.49 U2.21
PC0/SPI_MISO: U1.52
PC1/SPI_CLK: ST7789.9 U1.53
PC2/SPI_CS: ST7789.8 U1.54
PC3/SPI_MOSI: ST7789.10 U1.55
PE0/CSI_PCLK/LCD_CLK: FPC_1.8 U1.37 | length 651.4
  Top Layer w6: v1(4065,2392) 4065.08,2391.92 4065.08,2346.83 FPC_1.8 ; U1.37 4174.01,2877.99 4207,2845 4207,2565 v1(4148,2506)
  Bottom Layer w6: v1(4065,2392) 4064,2393 4064,2422 v1(4148,2506)
PE1/CSI_MCLK/LCD_DE: FPC_1.12 U1.36 | length 743.7
  Top Layer w6: v1(3984,2390) 3985.21,2388.79 3985.21,2347.96 FPC_1.12 ; v1(4122,2527) 4194,2599 4194,2837 4168.76,2862.24 U1.36
  Bottom Layer w6: v1(3984,2390) 3984,2507 3980.49,2510.51 3980.49,2515.49 4003,2538 4074.68,2538 4085.68,2527 v1(4122,2527)
PE2/CSI_HSYNC/LCD_HSYNC: FPC_1.16 U1.35 | length 783.1
  Top Layer w6: v1(3907,2414) 3907.34,2413.66 3907.34,2347.09 FPC_1.16 ; v1(4121,2554) 4124,2554 4181,2611 4181,2833.03 4167.53,2846.5 U1.35
  Bottom Layer w6: v1(3907,2414) 3907,2473.82 3902,2478.82 3902,2536 3920,2554 v1(4121,2554)
PE3/CSI_VSYNC/LCD_VSYNC: FPC_1.18 U1.34 | length 784.3
  Top Layer w6: v1(3865,2393) 3866.66,2391.34 3866.66,2348.41 FPC_1.18 ; v1(4121,2583) 4168.51,2630.51 4168.51,2825.49 4163.84,2830.16 4127.8,2830.16 U1.34
  Bottom Layer w6: v1(3865,2393) 3864,2394 3864,2555 3892,2583 v1(4121,2583)
PE4/CSI_D0/LCD_D2: U1.33
PE5/CSI_D1/LCD_D3: U1.32
PE6/CSI_D2/LCD_D4: U1.31
PE7/CSI_D3/LCD_D5: U1.30
PE8/CSI_D4/LCD_D6: FPC_1.6 U1.28 | length 483.8
  Top Layer w6: U1.28 4007.1,2706.3 4017,2696.4 4017,2586 4143,2460 v1(4143,2458) ; v1(4104,2388) 4104.27,2387.73 4104.27,2347.02 FPC_1.6
  Bottom Layer w6: v1(4104,2388) 4104,2419 v1(4143,2458)
PE9/CSI_D5/LCD_D7: FPC_1.4 U1.27 | length 475.1
  Top Layer w6: U1.27 3991.35,2705.07 4001,2695.43 4001,2571.24 v1(4144.03,2428.21) ; v1(4143.03,2378.03) 4143.47,2377.6 4143.47,2347.18 FPC_1.4
  Bottom Layer w6: v1(4143.03,2378.03) 4144.03,2379.03 v1(4144.03,2428.21)
PE10/CSI_D6/LCD_D10: FPC_1.3 U1.24 | length 502
  Top Layer w6: U1.24 3944.11,2706.83 3956,2694.94 3956,2588.93 4163.59,2381.34 FPC_1.3
PE11/CSI_D7/LCD_D11: FPC_1.5 U1.23 | length 492.3
  Top Layer w6: U1.23 3928.36,2705.61 3944,2689.97 3944,2580.97 4124.22,2400.75 FPC_1.5
PE12/CSI_D8/LCD_D12: FPC_1.7 U1.22 | length 482.5
  Top Layer w6: U1.22 3912.61,2704.39 3932,2685 3932,2576 4084.85,2423.15 FPC_1.7
PE13/CSI_D9/LCD_D13: FPC_1.9 U1.18 | length 492.3
  Top Layer w6: U1.18 3849.62,2592.38 4045.48,2396.52 FPC_1.9
PE14/CSI_D10/LCD_D14: FPC_1.11 U1.17 | length 483.2
  Top Layer w6: U1.17 3833.87,2574.13 4007,2401 4007,2347.64 FPC_1.11
PE15/CSI_D11/LCD_D15: FPC_1.13 U1.16 | length 472.7
  Top Layer w6: U1.16 3818.13,2554.87 3966.74,2406.26 FPC_1.13
PE16/CSI_D12/LCD_D18: U1.15
PE17/CSI_D13/LCD_D19: U1.14
PE18/CSI_D14/LCD_D20: U1.13
PE19/CSI_D15/LCD_D21: U1.11
PE20/CSI_FIELD/CSI_MIPI_MCLK: U1.10
PE21/CSI_SCK/TWI1_SCK/UART1_TX: FPC_1.20 R30.1 U1.9 | length 464.8
  Top Layer w6: U1.9 3707.89,2693.11 R30.1@3731,2670 ; R30.1 3737.41,2664.01 3744.18,2664.01 3782.47,2625.71 3782.47,2542.53 3827,2498 3827,2348.69 FPC_1.20
PE22/CSI_SDA/TWI1_SDA/UART1_RX: FPC_1.22 R29.1 U1.8 | length 466.3
  Top Layer w6: U1.8 3692.73,2757.3 3692.73,2673.27 R29.1 3716,2650 3741.21,2650 3755.22,2635.99 3755.22,2534.78 3789.58,2500.42 FPC_1.22
PE23/LCD_D22: U1.7
PE24/LCD_D23: U1.6
PF0/SDC0_D1/JTAG_MS1: R20.2 SD1.8 U1.107 | length 527.7
  Top Layer w6: R20.2 3048.61,3182.61 SD1.8 3151.78,3182 3348,3182 3384.29,3145.71 U1.107
PF1/SDC0_D0/JTAG_DI1: RP3.5 SD1.7 U1.106 | length 519.9
  Top Layer w6: RP3.5 3129.35,3216.61 3138.67,3225.92 SD1.7 3154.09,3223 3340,3223 3401.54,3161.46 U1.106
PF2/SDC0_CLK/UART0_TX: SD1.5 U1.105 | length 430.9
  Top Layer w6: SD1.5 3152.63,3314 3297,3314 3433.8,3177.2 U1.105
PF3/SDC0_CMD/JTAG_DO1: RP3.6 SD1.3 U1.103 | length 673.1
  Top Layer w6: RP3.6 3043.37,3251.25 3056.02,3263.91 3056.94,3263.91 3108,3314.97 3108,3389.48 3117.67,3399.15 SD1.3 3163.67,3399.15 3189.82,3373 3286,3373 3450.3,3208.7 U1.103
PF4/SDC0_D3/UART0_RX: RP3.7 SD1.2 U1.102 | length 707.2
  Top Layer w6: RP3.7 3042.34,3289.59 3054.46,3289.59 3096,3331.13 3096,3436 3102.46,3442.46 SD1.2 3163.67,3442.46 3211.12,3395 3286,3395 3456.55,3224.45 U1.102
PF5/SDC0_D2/JTAG_CK1: RP3.8 SD1.1 U1.101 | length 725.8
  Top Layer w6: RP3.8 3040.42,3317.39 3084,3360.98 3084,3472 3097.76,3485.76 SD1.1 3163.67,3485.76 3238.43,3411 3293,3411 3463.8,3240.2 U1.101
"PF6/USB ID": U1.100
PG0/SDC1_CLK/PG_EINT0: RP2.3 U1.5 U4.17 | length 307.8
  Top Layer w6: U1.5 3646.56,2756.22 3646.56,2670.43 v1(3645.45,2669.32)
  Bottom Layer w6: U4.17 ccw(c3453.38,2702.38) U4.17@3453.38,2669.32 ; U4.17@3453.43,2669.32 v1(3645.45,2669.32)
PG1/SDC1_CMD/PG_EINT1: RP2.4 U1.4 U4.16 | length 274
  Top Layer w6: U1.4 3628.57,2757.31 3628.57,2694.68 v1(3629.69,2693.57)
  Bottom Layer w6: U4.16 3449.69,2714.43 3456.53,2707.59 3456.53,2706.47 3469.44,2693.57 v1(3629.69,2693.57)
PG2/SDC1_D0/PG_EINT2: RP2.2 U1.3 U4.18 | length 308.3
  Top Layer w6: v1(3613,2637) 3613,2639.64 3611.13,2641.51 3611.13,2710.62 3613.4,2712.89 U1.3
  Bottom Layer w6: U4.18 3436.57,2637 v1(3613,2637)
PG3/SDC1_D1/PG_EINT3: RP2.1 U1.2 U4.19 | length 504.3
  Top Layer w6: RP2.1 3527.86,2472 3568,2472 3593,2497 v1(3593,2609) 3593,2668.54 3597.65,2673.19 U1.2
  Bottom Layer w6: U4.19 3592.13,2608.13 v1(3593,2609)
PG4/SDC1_D2/PG_EINT4: RP1.2 U1.1 U4.14 | length 204.3
  Top Layer w6: RP1.2 3516,2687.75 3514.77,2688.98 3524.11,2698.33 ccw(c3520.6,2701.82) 3525.18,2699.94 3525.18,2703.69 ccw(c3520.6,2701.82) 3524.1,2705.32 v1(3524.1,2735.86) ; v1(3568,2781) 3580.49,2781 3581.91,2779.59 U1.1
  Bottom Layer w6: U4.14 3436.84,2778.46 3459.33,2778.46 3501.93,2735.86 v1(3524.1,2735.86)
PG5/SDC1_D3/PG_EINT5: RP1.1 U1.128 U4.15 | length 292.7
  Top Layer w6: U1.128 3546.59,2815 3551.23,2810.36 3551.23,2788.09 3551.13,2787.99 3551.13,2717.88 v1(3553.27,2715.73) 3553.27,2695.16 3548,2689.89 RP1.1
  Bottom Layer w6: U4.15 3436.84,2743.02 3460.92,2743.02 3488.22,2715.73 v1(3553.27,2715.73)
PWDN: FPC_1.17 R18.1
RESET: C13.1 R6.1 S5.1 U1.99 | length 673.7
  Top Layer w6: S5.1 3135.35,3559.49 3269.84,3425 3313.47,3425 3352.38,3386.09 3369.49,3386.09 3369.49,3382.16 3412.66,3382.16 3418.42,3376.4 3418.42,3370.63 3448.13,3340.93 3448.13,3293.03 3468.89,3272.28 3524.2,3272.28 U1.99
RTC-VIO: C16.1 U1.97 | length 239.3
  Top Layer w6: C16.1 3415.98,3471.37 3431.29,3456.06 3431.29,3455.08 3472.13,3414.24 3472.13,3313 3481.94,3303.19 U1.97
SVREF: C42.1 R15.2 R17.2 U1.63 U1.71 | length 227.4
  Top Layer w6: U1.63 4127.8,3286.86 4243.77,3286.86 R17.2 4246.63,3246.06 C42.1 4253.69,3238.02 4280.86,3210.84 4280.86,3199.77 R15.2
SZQ: R14.2 U1.73 | length 227.6
  Top Layer w6: U1.73 3944.11,3417.11 3968,3441 4074.13,3441 R14.2
USB_DM_2: J2.A7 J2.B7 U2.4
USB_DP_2: J2.A6 J2.B6 U2.3
VAR1: C4.1 U1.117 | length 121.5
  Top Layer w6: C4.1 3407.14,2981.67 3413.7,2988.23 U1.117
VAR2: C6.1 R4.1 U1.118 | length 164.9
  Top Layer w6: R4.1 C6.1 3432.2,2972.48 U1.118
X24MIN: C40.1 U1.75 X2.1 | length 178.5
  Top Layer w6: C40.1 3853.5,3464.37 3892.5,3464.37 X2.1 3912.31,3469.57 3912.31,3360.61 U1.75
X24MOUT: C41.1 U1.74 X2.3 | length 294.8
  Top Layer w6: U1.74 3928.36,3434.36 3973.5,3479.5 3973.5,3515.5 3982,3524 3982.34,3524 X2.3@4005,3546.66 ; X2.3 X2.3@4005,3546.66 ; C41.1 4058.13,3505.87 4042,3505.87 4005,3542.87 X2.3@4005,3546.66
X32KIN: C22.1 U1.96 X1.2 | length 232.3
  Top Layer w6: C22.1 3488.53,3462.87 X1.2@3505,3479.34 ; X1.2 X1.2@3505,3479.34 ; U1.96 3581.91,3439.09 3564.35,3456.65 3525.01,3456.65 3505,3476.66 X1.2@3505,3479.34
X32KOUT: C26.1 U1.95 X1.1 | length 189
  Top Layer w6: U1.95 3597.83,3360.48 3597.83,3480.7 X1.1 3605,3479.34 3621.47,3462.87 C26.1
pads on no net: A1.2 FPC_1.24 FPC_1.25 FPC_1.26 J1.0 J1.1 J1.A5 J1.A8 J1.B5 J1.B8 J2.0 J2.1 J2.A5 J2.A8 J2.B5 J2.B8 SD1.9 U2.1 U2.10 U2.11 U2.12 U2.13 U2.14 U2.15 U2.16 U2.17 U2.18 U2.19 U2.22 U2.23 U2.24 U3.2 U3.3 U3.4 U3.5 U3.6 U3.7 U3.12 U3.14 U3.15 U3.16 U3.17 U3.19 U3.21 U3.22 U4.4 U4.5 U4.6 U4.7 U4.8 U4.10 U4.11 U4.21 U4.23 U4.24 U4.25 U4.26 U4.27 U4.28 U4.29 U4.30 U4.32 U4.35 U4.37 U4.38 U4.39 U4.40 U6.9

## Polygon pours and split planes (outlines as drawn)
GND on Bottom Layer "GND_L02_P001" (solid, pour order 1): 6720.99,5773.34 8852.99,5773.34 8852.99,4459.34 6725.99,4459.34 6725.99,5768.34 6733.99,5776.34
GND on Top Layer "GND_L01_P000" (solid, pour order 0): 1909.94,6625.12 4046.94,6625.12 4046.94,5311.12 4038.94,5303.12 4036.94,5305.12 1909.94,5305.12 1909.94,6633.12 1911.94,6635.12

## Other copper
Top Layer:
  rectangle net 1V2: 3498.68,3125.13 3602.64,3134
  rectangle net 3V3: 3496.04,3283 3600,3291.86
  region net 1V8: 4002,3331 4002,3303.86 4098,3222 4157,3222 4157,3275 4158,3276 4086,3276 4073,3289 4073,3393 4002,3393
Bottom Layer:
  region: 3240,3375

## Silkscreen, mask and mechanical layers (free items; w line width, h text height)
Top Overlay:
  text "KSDIY" at 2636,2601.2 h100
  text "Allwinner" at 2558,2487.02 h100
  text "V3S" at 2664,2378.2 h100
Mechanical 1:
  the board outline again, w15

## Text inside footprints (layer, text, board x,y; h text height)
FPC_1: Top Overlay "24" at 3793.51,2303.44 h59.06 r180; Top Overlay "1" at 4212.8,2303.44 h59.06 r180
J1: Top Overlay "USB" at 3082,2948 h59.06 r270
J2: Top Overlay "USB" at 4703.47,2808 h59.06 r90